# Altium PCB ANTS-PCU-B1.PCBDOC (part 1 of 3)
Units mm, origin at the board's own origin, x right, y up, seen from the top; angles counter-clockwise.
Board outline 195.05 x 85.05 mm, 2 copper layers (TopLayer, BottomLayer); 203 components, 155 nets, 881 pads, 326 vias.
Unrouted connection lines stored in the file: 2.
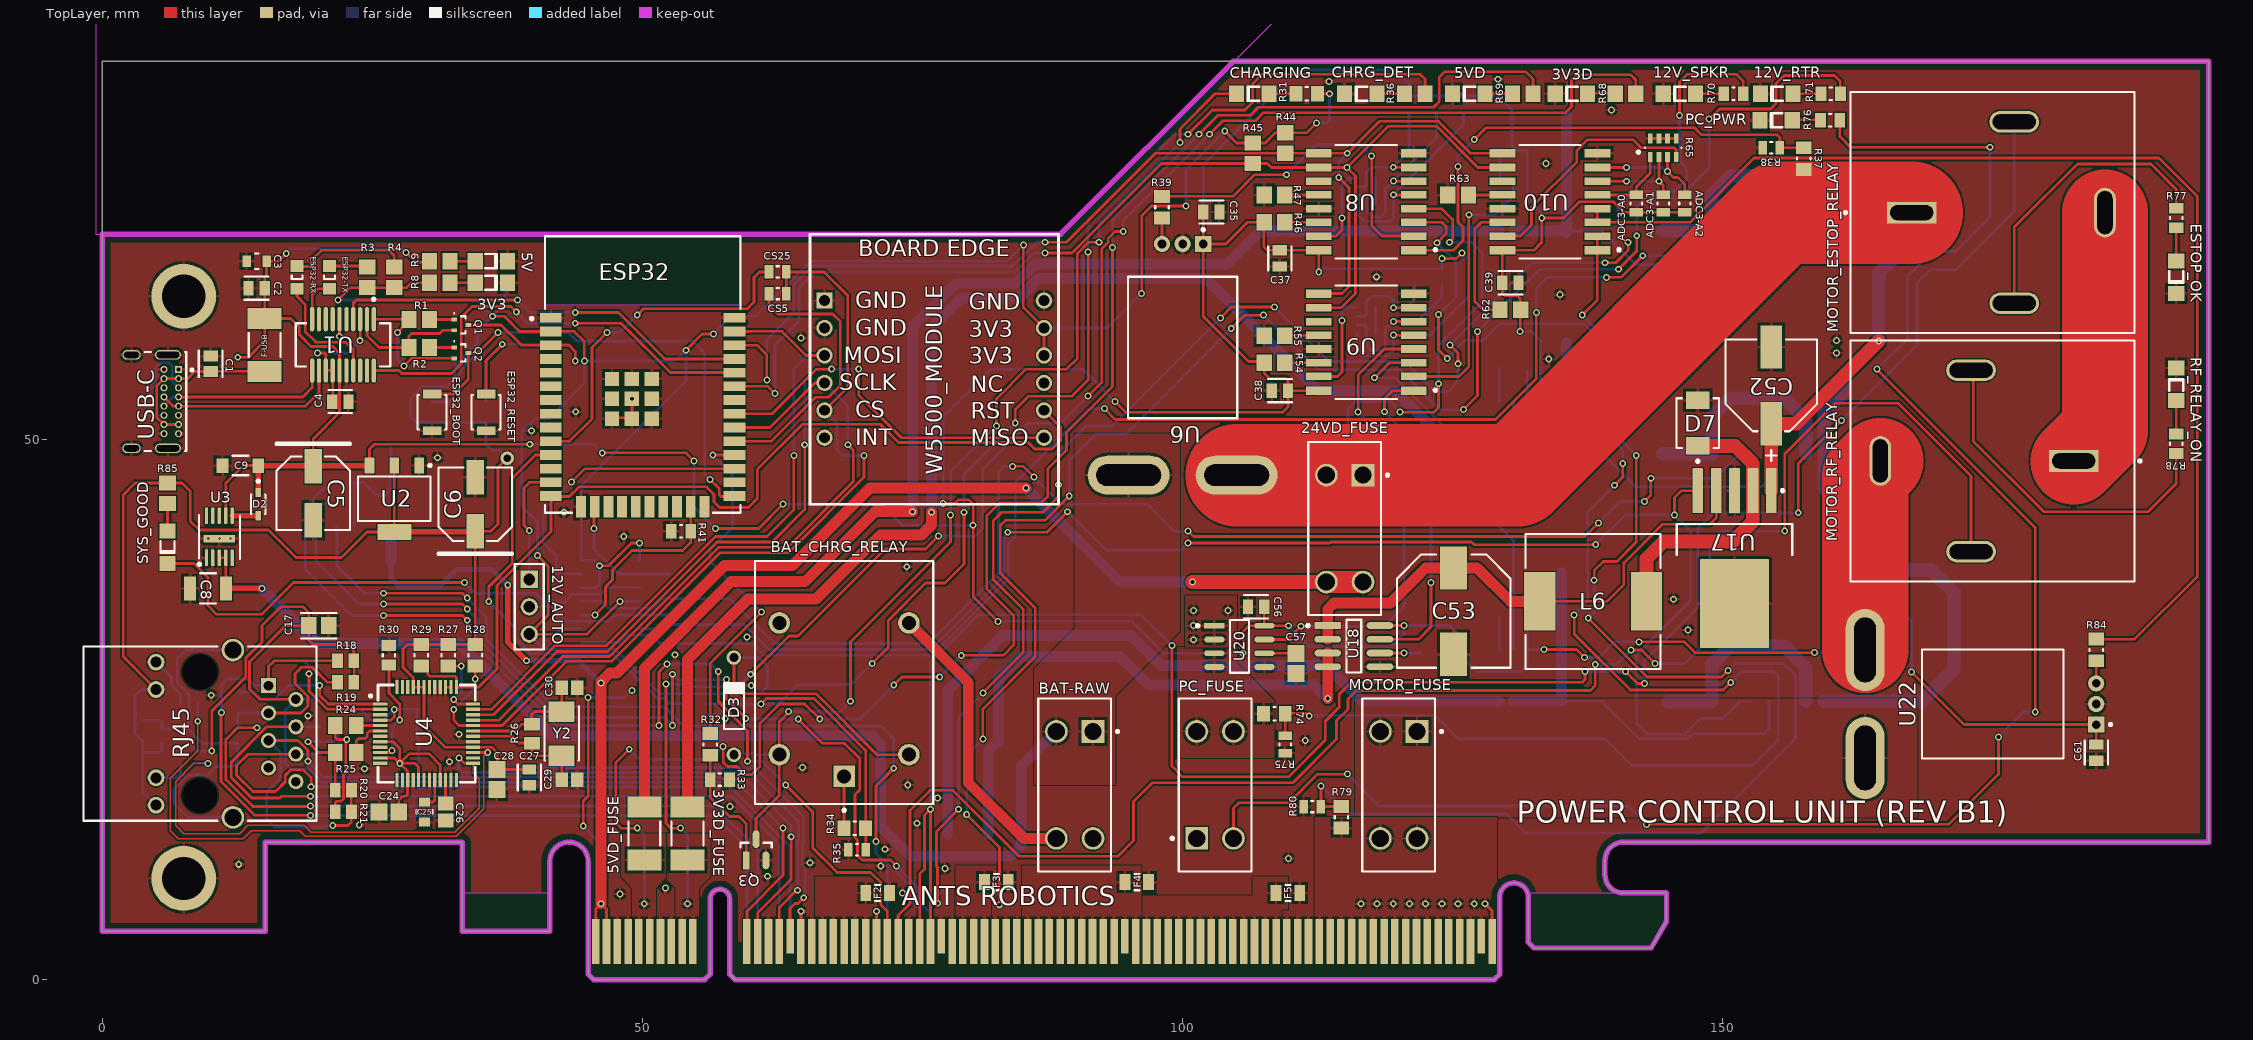
[diagram p0: TopLayer view]
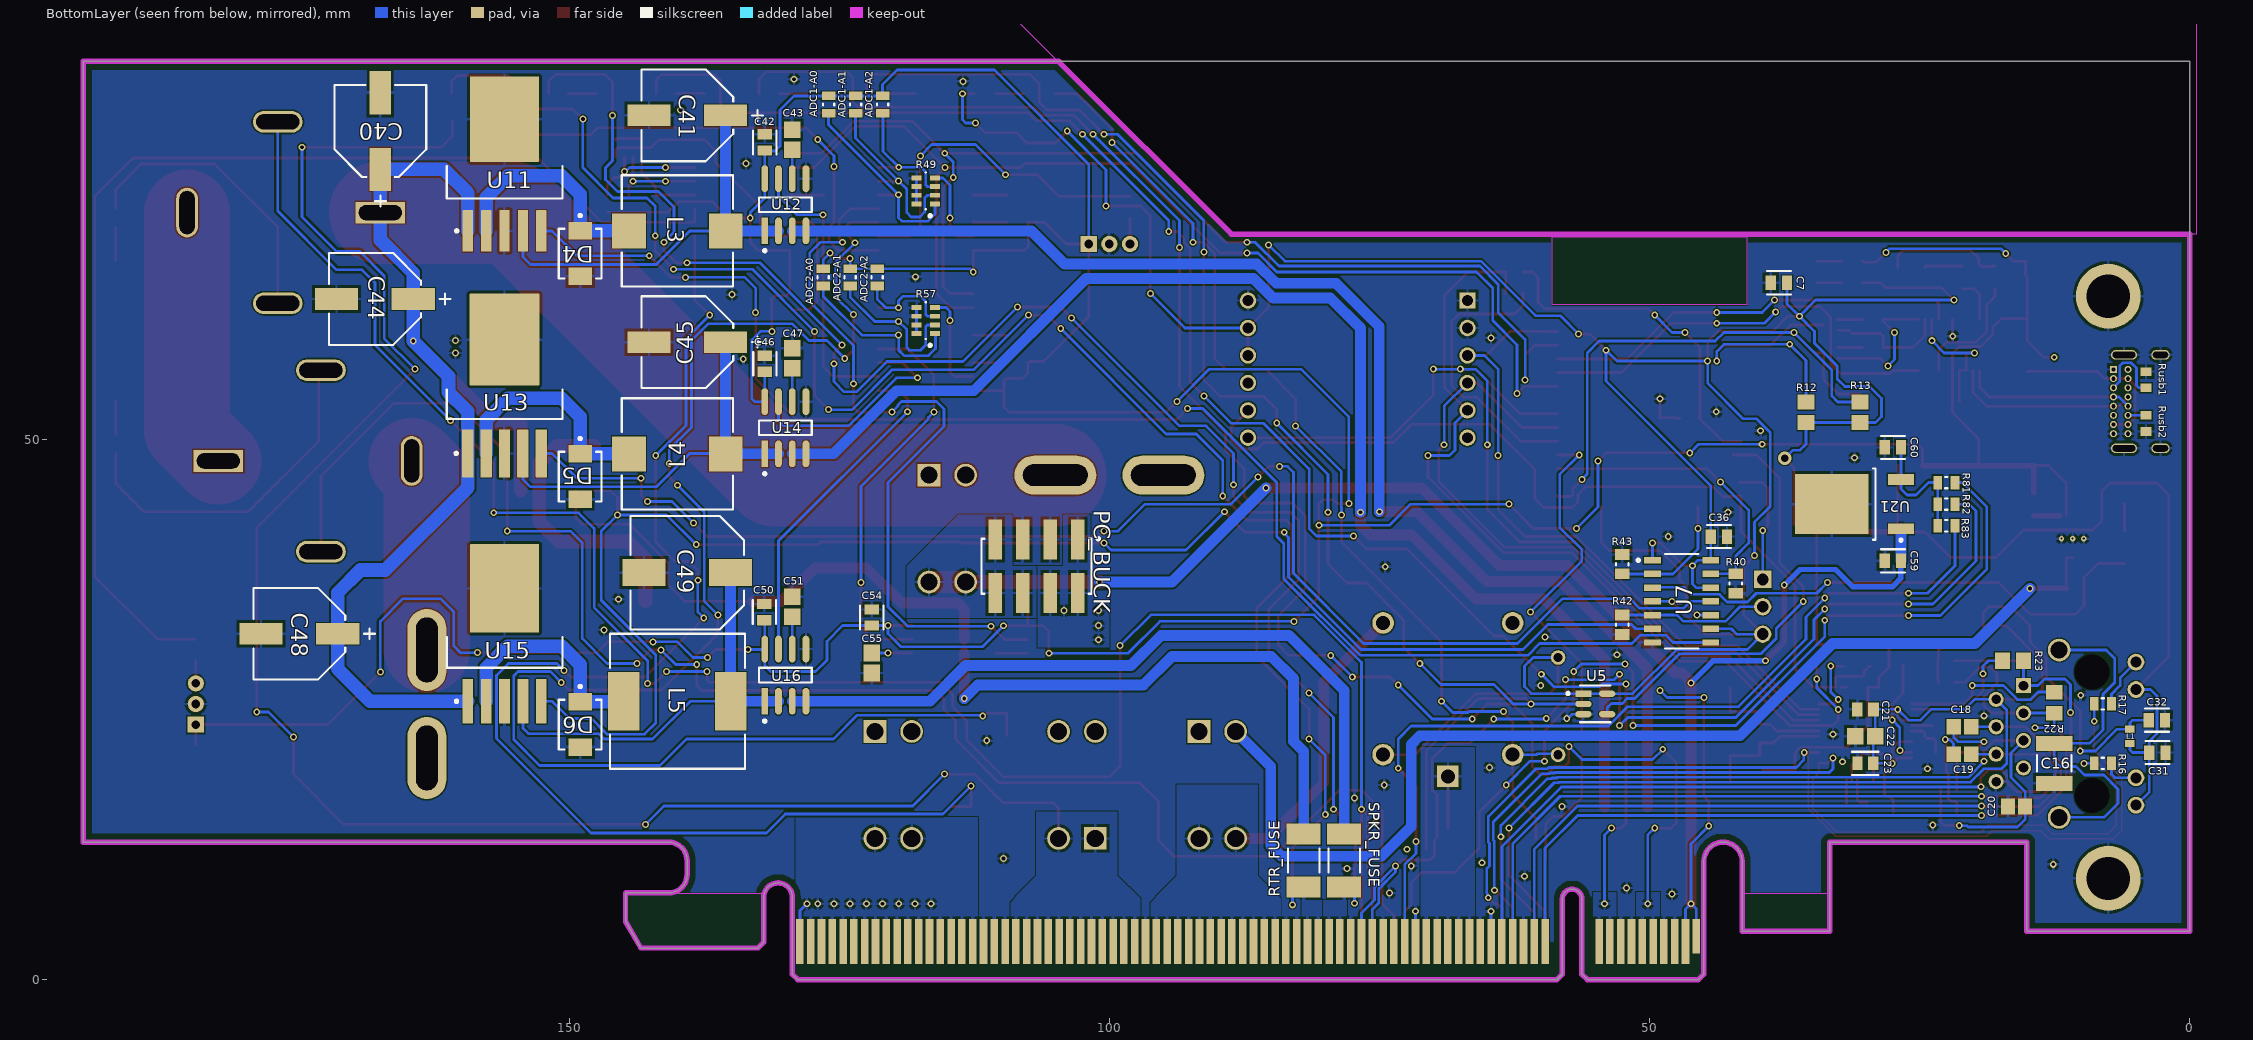
[diagram p1: BottomLayer view, seen from below]
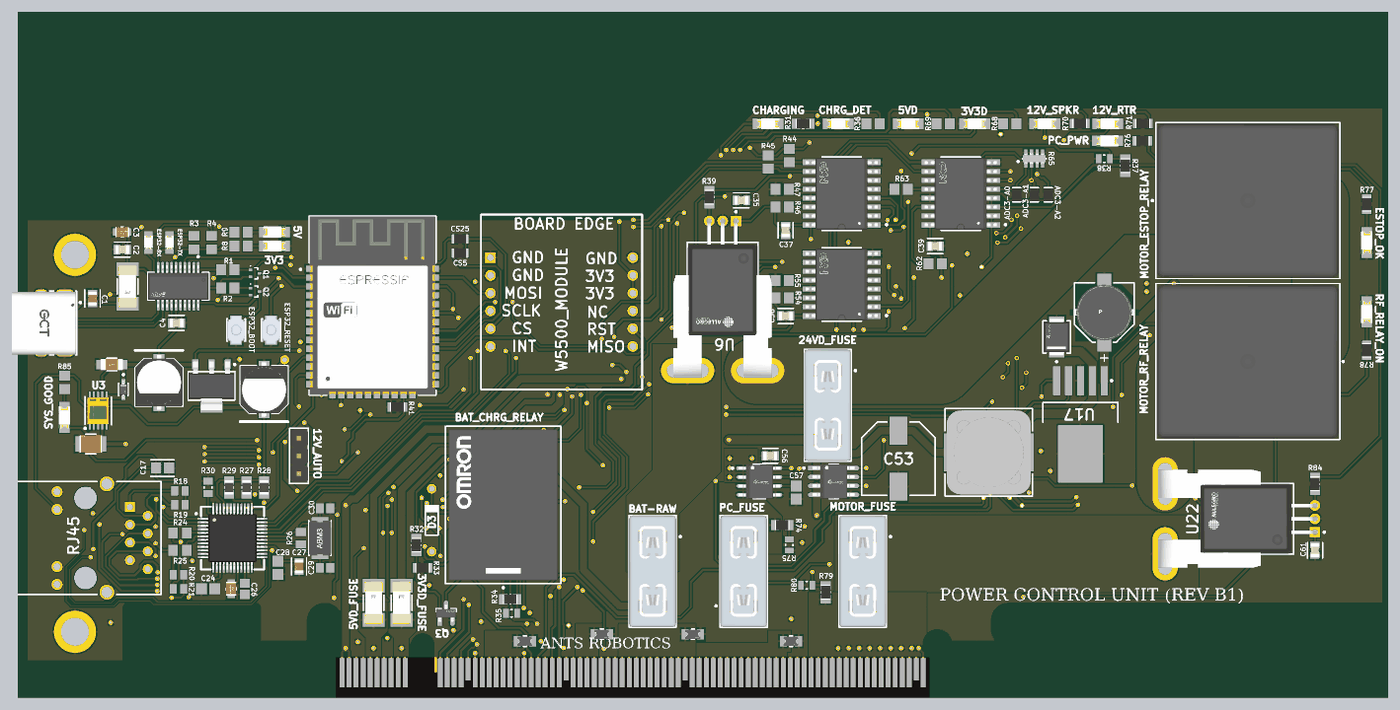
[diagram p4: 3D render of the assembled board from above, using the file's embedded part models]
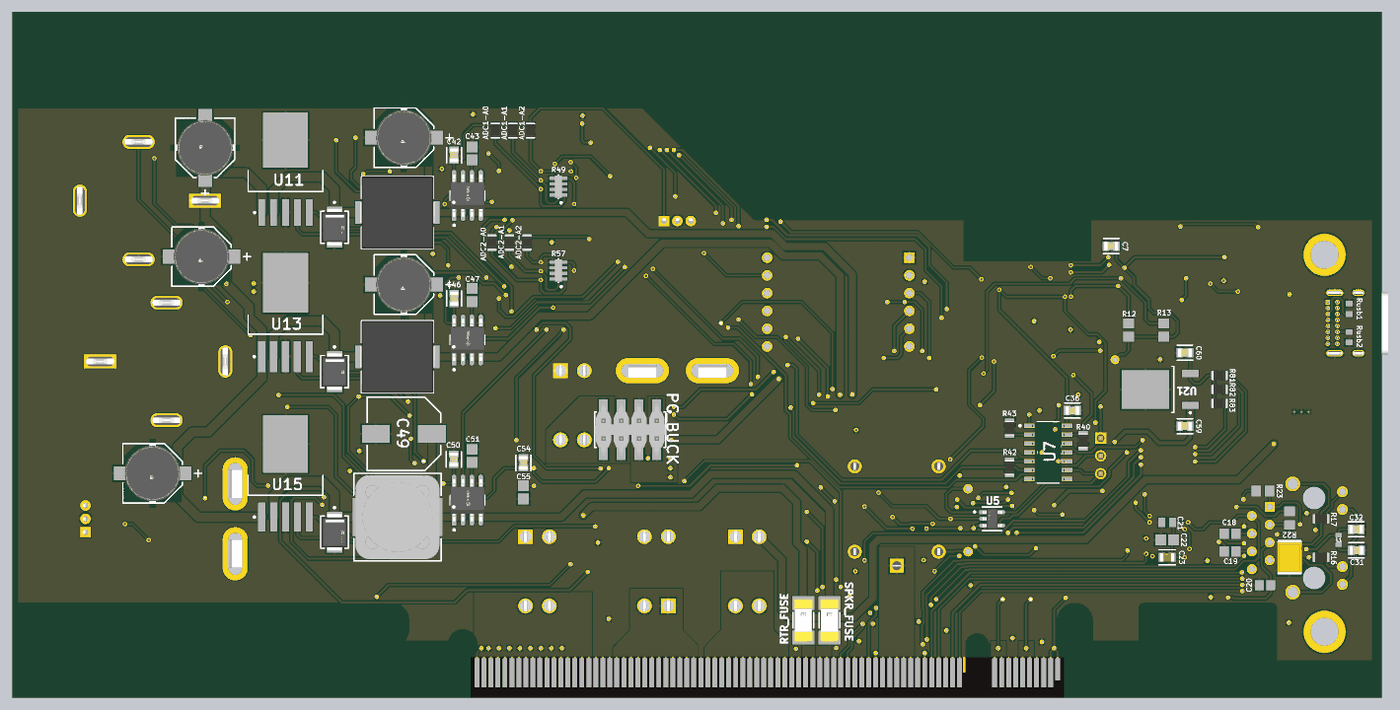
[diagram p5: 3D render of the assembled board from below, using the file's embedded part models]

## Layer stack, top to bottom
TopSolder: solder mask 0.0102, Solder Resist, Dk 3.5
TopLayer: signal copper 0.035
Dielectric1: core 0.32, FR-4, Dk 4.8
BottomLayer: signal copper 0.035
BottomSolder: solder mask 0.0102, Solder Resist, Dk 3.5

## Board outline
44.965,0.464 cw(c45,0.5) 44.95,0.5 44.95,10.925 ccw(c43.175,10.925) 41.4,10.925 41.4,4.5 cw(c41.35,4.5) 41.35,4.45 33.35,4.45 cw(c33.35,4.5) 33.3,4.5 33.3,12.7 15.05,12.7 15.05,4.5 cw(c15,4.5) 15,4.45 0,4.45 cw(c0,4.5) -0.05,4.5 -0.05,85 195,85 195,12.7 140.8,12.7 ccw(c140.8,11) 139.1,11 139.1,9.7 ccw(c140.8,9.7) 140.8,8 144.75,8 cw(c144.75,7.95) 144.8,7.95 144.8,5.375 cw(c144.751,5.375) 144.794,5.35 143.394,2.925 cw(c143.35,2.95) 143.35,2.9 132.55,2.9 cw(c132.55,2.95) 132.514,2.915 132.014,3.414 cw(c132.05,3.45) 132,3.45 132,7.605 ccw(c130.675,7.605) 130.675,8.93 ccw(c130.675,7.605) 129.35,7.605 129.35,0.5 cw(c129.301,0.5) 129.335,0.464 128.836,-0.036 cw(c128.8,0) 128.8,-0.05 58.6,-0.05 cw(c58.6,0) 58.564,-0.035 58.064,0.464 cw(c58.1,0.5) 58.05,0.5 58.05,7.45 ccw(c57.15,7.45) 56.25,7.45 56.25,0.5 cw(c56.201,0.5) 56.235,0.464 55.736,-0.036 cw(c55.7,-0.001) 55.7,-0.05 45.5,-0.05 cw(c45.5,0) 45.464,-0.035
cut-out: -0.65,69 88.7,69 117.65,97.95 -0.65,97.95

## Design rules (kind name [scope] priority, off if disabled: settings)
BoardOutlineClearance [All] p1: gap=0.8 ignorepadtopadclearanceinfootprint=FALSE
Clearance [All] p1: gap=0.127 ignorepadtopadclearanceinfootprint=FALSE except(0: SMDPad-Hole THPad-Hole Via-Hole Fill-Hole Poly-Hole Region-Hole Text-Hole; 0.063: SMDPad-SMDPad SMDPad-Via; 0.2: Arc-Arc Arc-Track Arc-SMDPad Arc-Fill Arc-Poly Arc-Region Arc-Text Arc-Hole Track-Track Track-SMDPad Track-Fill Track-Poly Track-Region Track-Text Track-Hole; 0.254: Arc-THPad Arc-Via Track-THPad Track-Via Via-Via)
ComponentClearance [All] p1: gap=0 collisioncheckmode=3 verticalgap=0.063 showdistances=FALSE
FabricationTestPointUsage TestPointUsage [All] p1: valid=0 allowmultiple=FALSE
FabricationTestpoint Testpoint [All] p1: side=3 testpointundercomponent=TRUE minsize=1.016 maxsize=2.54 preferedsize=1.524 minholesize=0.508 maxholesize=1.016 preferedholesize=0.813 testpointgrid=0.025 allowsidetop=TRUE allowsidebottom=TRUE usegrid=TRUE gridtolerance=0
Height "PCI Express, Page 84, \"Component Height Constraints\" for solder side" [OnBottomLayer] p1: minheight=0 maxheight=2.67 prefheight=2.67
Height "PCI Express, Page 84, \"Component Height Constraints\" for component side" [OnTopLayer] p2: minheight=0 maxheight=14.47 prefheight=14.47
PlaneClearance [All] p1: clearance=0
PolygonConnect [All] p1: connectstyle=Relief reliefconductorwidth=0.254 reliefentries=4 polygonreliefangle="90 Angle" airgapwidth=0.254
RoutingVias [All] p1: holewidth=0.711 width=1.27 viastyle="Through Hole" minholewidth=0.711 minwidth=1.27 maxholewidth=0.711 maxwidth=1.27
SilkToSolderMaskClearance SilkscreenOverComponentPads [IsPad] p1: minsilkscreentomaskgap=0.254 clearancetoexposedcopper=TRUE
SolderMaskExpansion [All] p1: expansion=0 istentingtop=FALSE
Width [All] p1: maxlimit=15 minlimit=0.254 preferedwidth=0.254 minimp=50.000000 maximp=50.000000 favimp=50.000000
24 further rules are at their usual default settings.

## Classes and differential pairs
component class RELAYS: C59 C60 C61 ESTOP_OK MOTOR_ESTOP_RELAY MOTOR_FUSE MOTOR_RF_RELAY R77 R78 R79 R80 R81 R82 R83 R84 RF_RELAY_ON U21 U22
component class POWER_RAIL_MONITORING: ADC1-A0 ADC1-A1 ADC1-A2 ADC2-A0 ADC2-A1 ADC2-A2 ADC3-A0 ADC3-A1 ADC3-A2 C37 C38 C39 R44 R45 R46 R47 R49 R54 R55 R57 R62 R63 R65 U8 U9 U10
component class POWER_RAIL_CTRL: 12V_AUTO C36 R40 R41 R42 R43 R85 SYS_GOOD U7
component class BATTERY-CONTROL: 24VD_FUSE BAT-RAW BAT_CHRG_RELAY C35 CHARGING CHRG_DET D3 Q3 R31 R32 R33 R34 R35 R36 R37 R38 R39 U5 U6
component class 19V-PC-POWER: C56 C57 PC_BUCK PC_FUSE PC_PWR R74 R75 R76 U20
component class 12V-EXTRA-POWER: 12V_RTR 12V_SPKR C48 C49 C50 C51 C52 C53 C54 C55 D6 D7 L5 L6 R70 R71 RTR_FUSE SPKR_FUSE U15 U16 U17 U18
component class +5V_3V3_DIGITAL: 3V3D 3V3D_FUSE 5VD 5VD_FUSE C40 C41 C42 C43 C44 C45 C46 C47 D4 D5 L3 L4 R68 R69 U11 U12 U13 U14
component class ESP32-POWER: 3V3 5V C5 C6 C8 C9 D2 R8 R9 U2 U3
component class USB-ESP32: C1 C2 C3 C4 ESP32-RX ESP32-TX F-USB Q1 Q2 R1 R2 R3 R4 Rusb1 Rusb2 U1 USB-C
component class Ethernet: C16 C17 C18 C19 C20 C21 C22 C23 C24 C25 C26 C27 C28 C29 C30 C31 C32 L1 R16 R17 R18 R19 R20 R21 R22 R23 R24 R25 R26 R27 R28 R29 R30 RJ45 U4 W5500_MODULE Y2
component class ESP32: C7 CS5 CS25 ESP32 ESP32_BOOT ESP32_RESET R12 R13
component class CONN: "ANTS ROBOTICS" F2 F3 F4 F5

## Components (designator, comment, footprint, x,y, rotation, side; value= is the part's Value field where it differs from the comment)
3V3 "150120GS75000" 1206_A 36,64.5 r180 top
3V3D "150120GS75000" 1206_A 136,82 r0 top
3V3D_FUSE "0451003.MRL" FP-0451-MFG 54.15,13.5 r270 top value=0.0227Ω
5V "150120GS75000" 1206_A 36,66.5 r180 top
5VD "150120GS75000" 1206_A 126.5,82 r0 top
5VD_FUSE "0451003.MRL" FP-0451-MFG 50.15,13.5 r270 top value=0.0227Ω
12V_AUTO "61300311121" 61300311121 39.5,34.5 r270 top
12V_RTR "150120GS75000" 1206_A 155,82 r0 top
12V_SPKR "150120GS75000" 1206_A 146,82 r0 top
24VD_FUSE "3568" KSTN-3568_V 115,41.741 r270 top
ADC1-A0 "0R 1% 0805" RESC2013X60X35LL10T20 126,81 r270 bottom
ADC1-A1 "0R 1% 0805" RESC2013X60X35LL10T20 123.5,81 r270 bottom
ADC1-A2 "0R 1% 0805" RESC2013X60X35LL10T20 121,81 r270 bottom
ADC2-A0 "0R 1% 0805" RESC2013X60X35LL10T20 126.5,65 r270 bottom
ADC2-A1 "0R 1% 0805" RESC2013X60X35LL10T20 124,65 r270 bottom
ADC2-A2 "0R 1% 0805" RESC2013X60X35LL10T20 121.5,65 r270 bottom
ADC3-A0 "0R 1% 0805" RESC2013X60X35LL10T20 142,71.835 r90 top
ADC3-A1 "0R 1% 0805" RESC2013X60X35LL10T20 144.5,71.835 r90 top
ADC3-A2 "0R 1% 0805" RESC2013X60X35LL10T20 146.5,71.835 r90 top
"ANTS ROBOTICS" "PCIeX16" PCIeX16 0,0 r0 top
BAT-RAW "3568" KSTN-3568_V 90,18 r270 top
BAT_CHRG_RELAY "G5LE-14-DC3" FP-G5LE-14-DC5-MFG 68.65,27.5 r90 top
C1 "10uF 25V 0805" FP-GRM21B-0_15-IPC_C 10,57 r90 top
C2 "0.1uF 50V 0805" FP-C0805C-DN-MFG 14.25,64 r180 top value="0.10 μF"
C3 "4.7uF 50V 0805" FP-C2012-125-MFG 14.25,66.5 r180 top value=4.7uF
C4 "0.1uF 50V 0805" FP-C0805C-DN-MFG 22,53.5 r0 top value="0.10 μF"
C5 "10uF 50V" PNSC-FK-V-D_V 19.5,45 r270 top
C6 "10uF 50V" PNSC-FK-V-D_V 34.5,44 r90 top
C7 "10uF 10V 0805" FP-C0805C-DG-MFG 38,64.5 r0 bottom value=10uF
C8 "10uF 50V 1210" FP-C3225-250-0_4-MFG 9.75,36.2 r180 top
C9 "47uF 16V 1206" FP-C3216-160-0_2-MFG 12.75,47.575 r180 top
C16 "1nF / 2kV" CAPC4532X155X60LL30T35 12.5,20 r270 bottom
C17 "22nF 50V 0805" FP-CL21-IPC_A 20,32.75 r0 top
C18 "6.8nF 50V 0805" CAPC2013X94X50NL20T25 21,23.385 r0 bottom
C19 "6.8nF 50V 0805" CAPC2013X94X50NL20T25 21,20.845 r0 bottom
C20 "10nF 50V 0805" CAPC2013X140X50NL20T25 16,16 r180 bottom
C21 "1uF 50V 0805" CAPC2013X135X45LL10T25 30,25 r180 bottom
C22 "0.1uF 50V 0805" CAPC2013X94X50ML20T25 30,22.5 r180 bottom
C23 "10uF 16V 0805" FP-GRM21B-0_1-IPC_C 30,20 r0 bottom
C24 "0.1uF 50V 0805" CAPC2013X94X50ML20T25 26.5,15.5 r0 top
C25 "4.7uF 50V 0805" FP-C2012-125-MFG 29.8,15.5 r270 top value=4.7uF
C26 "10nF 50V 0805" CAPC2013X140X50NL20T25 31.75,15.5 r90 top
C27 "10uF 16V 0805" FP-GRM21B-0_1-IPC_C 39.5,18.7 r270 top
C28 "0.1uF 50V 0805" CAPC2013X94X50ML20T25 36.5,18.5 r90 top
C29 "18pF 50V 0805" CAPC2013X71X50LL20T25 43.225,18.5 r180 top
C30 "18pF 50V 0805" CAPC2013X71X50LL20T25 43.225,27 r180 top
C31 "0.1uF 50V 0805" FP-C0805C-DN-MFG 2.95,21 r180 bottom value="0.10 μF"
C32 "0.1uF 50V 0805" FP-C0805C-DN-MFG 3,24 r180 bottom value="0.10 μF"
C35 "0.1uF 50V 0805" FP-C0805C-DN-MFG 102.66,71.05 r0 top value="0.10 μF"
C36 "0.1uF 50V 0805" FP-C0805C-DN-MFG 43.55,41 r180 bottom value="0.10 μF"
C37 "0.1uF 50V 0805" FP-C0805C-DN-MFG 109,66.75 r270 top value="0.10 μF"
C38 "0.1uF 50V 0805" FP-C0805C-DN-MFG 109,54.505 r180 top value="0.10 μF"
C39 "0.1uF 50V 0805" FP-C0805C-DN-MFG 130.35,64.5 r0 top value="0.10 μF"
C40 "100uF 50V" FP-EEE-FK1H101P-MFG 167.5,78.55 r270 bottom value=100uF
C41 "100uF 50V" FP-EEE-FK1H101P-MFG 139.08,80 r180 bottom value=100uF
C42 "0.1uF 50V 0805" FP-C0805C-DN-MFG 131.905,77.5 r90 bottom value="0.10 μF"
C43 "1nF 50V 0805" CAPC2013X94X50ML20T25 129.35,77.75 r90 bottom
C44 "100uF 50V" FP-EEE-FK1H101P-MFG 168,63 r180 bottom value=100uF
C45 "100uF 50V" FP-EEE-FK1H101P-MFG 139.08,59 r180 bottom value=100uF
C46 "0.1uF 50V 0805" FP-C0805C-DN-MFG 131.9,57 r90 bottom value="0.10 μF"
C47 "1nF 50V 0805" CAPC2013X94X50ML20T25 129.35,57.5 r90 bottom
C48 "100uF 50V" FP-EEE-FK1H101P-MFG 175,32 r180 bottom value=100uF
C49 "680uF 16V" NIC-CAPA2-10X10_V 139.08,37.65 r0 bottom
C50 "0.1uF 50V 0805" FP-C0805C-DN-MFG 131.95,34 r90 bottom value="0.10 μF"
C51 "1nF 50V 0805" CAPC2013X94X50ML20T25 129.365,34.5 r90 bottom
C52 "100uF 50V" FP-EEE-FK1H101P-MFG 154.5,55 r270 top value=100uF
C53 "680uF 16V" NIC-CAPA2-10X10_V 125.1,34.1 r270 top
C54 "0.1uF 50V 0805" FP-C0805C-DN-MFG 122,33.505 r90 bottom value="0.10 μF"
C55 "1nF 50V 0805" CAPC2013X94X50ML20T25 122,29.29 r270 bottom
C56 "0.1uF 50V 0805" FP-C0805C-DN-MFG 106.8,34.5 r180 top value="0.10 μF"
C57 "1nF 50V 0805" CAPC2013X94X50ML20T25 110.5,29.25 r270 top
C59 "330nF 50V 0805" FP-C0805C-DN-MFG 27.45,38.75 r0 bottom value="0.33 μF"
C60 "330nF 50V 0805" FP-C0805C-DN-MFG 27.45,49.25 r0 bottom value="0.33 μF"
C61 "0.1uF 50V 0805" FP-C0805C-DN-MFG 184.6,21 r270 top value="0.10 μF"
CHARGING "150120YS75000" 1206_A 106.5,82 r0 top
CHRG_DET "150120GS75000" 1206_A 116.5,82 r0 top
CS5 "0R 1% 0805" RESC2013X60X35LL10T20 62.5,63.5 r0 top
CS25 "0R 1% 0805" RESC2013X60X35LL10T20 62.5,65.5 r0 top
D2 "BAT20JFILM" FP-BAT20JFILM-MFG 14.4,44 r270 top
D3 "1N4148" NXP-SOD27-2_V 58.45,25.3 r90 top
D4 "STPS3L60U" FP-SMB-MFG 149,67.2 r270 bottom
D5 "STPS3L60U" FP-SMB-MFG 149,46.55 r270 bottom
D6 "STPS3L60U" FP-SMB-MFG 149,23.59 r270 bottom
D7 "STPS3L60U" FP-SMB-MFG 147.7,51.5 r90 top
ESP32 "ESP32-WROOM-32D" FP-ESP32-WROOM-32D-MFG 50,56 r0 top
ESP32-RX "150080YS75000" 0805_A 18,65 r90 top
ESP32-TX "150080YS75000" 0805_A 21,65 r90 top
ESP32_BOOT "B3U-1000P" FP-B3U-1000P-MFG 30.5,52.5 r90 top
ESP32_RESET "B3U-1000P" FP-B3U-1000P-MFG 35.5,52.5 r90 top
ESTOP_OK "150120GS75000" 1206_A 192,65 r90 top
F2 "MF-PSMF010X-2" FP-MF-PSMF-MFG 71.75,8 r0 top value=1-7.5Ω
F3 "MF-PSMF010X-2" FP-MF-PSMF-MFG 82.75,9 r0 top value=1-7.5Ω
F4 "MF-PSMF010X-2" FP-MF-PSMF-MFG 95.75,9 r0 top value=1-7.5Ω
F5 "MF-PSMF010X-2" FP-MF-PSMF-MFG 109.75,8 r0 top value=1-7.5Ω
F-USB "0451002.MRL" FP-0451-MFG 15,58.726 r90 top value=0.0367Ω
L1 "HH-1M1608-121JT" CTC-1608_L 5.5,22.5 r90 bottom
L3 "IHLP4040DZER101M11" VISH-IHLP4040DZER101M11_V 140,69.3 r180 bottom
L4 "IHLP4040DZER101M11" VISH-IHLP4040DZER101M11_V 140,48.66 r0 bottom
L5 "7447709221" WE-PD-XXL 140,25.75 r0 bottom
L6 "7447709221" WE-PD-XXL 138,35 r0 top
MOTOR_ESTOP_RELAY "CB1AHF-P-12V" FP-CB1AHF-P-12V-MFG 175,71 r180 top
MOTOR_FUSE "3568" KSTN-3568_V 120,18 r270 top
MOTOR_RF_RELAY "CB1AHF-P-12V" FP-CB1AHF-P-12V-MFG 175,48 r0 top
PC_BUCK "TSM-104-01-L-DV" SMTC-TSM-104-01-X-DV 106.744,38.25 r0 bottom
PC_FUSE "3568" KSTN-3568_V 103,18 r90 top